# Altium PCB PCB.PcbDoc
Units mil, origin at the board's own origin, x right, y up, seen from the top; angles counter-clockwise.
Board outline 2865 x 2315 mil, 2 copper layers (Top Layer, Bottom Layer); 7 components, 19 nets, 70 pads, 15 vias.
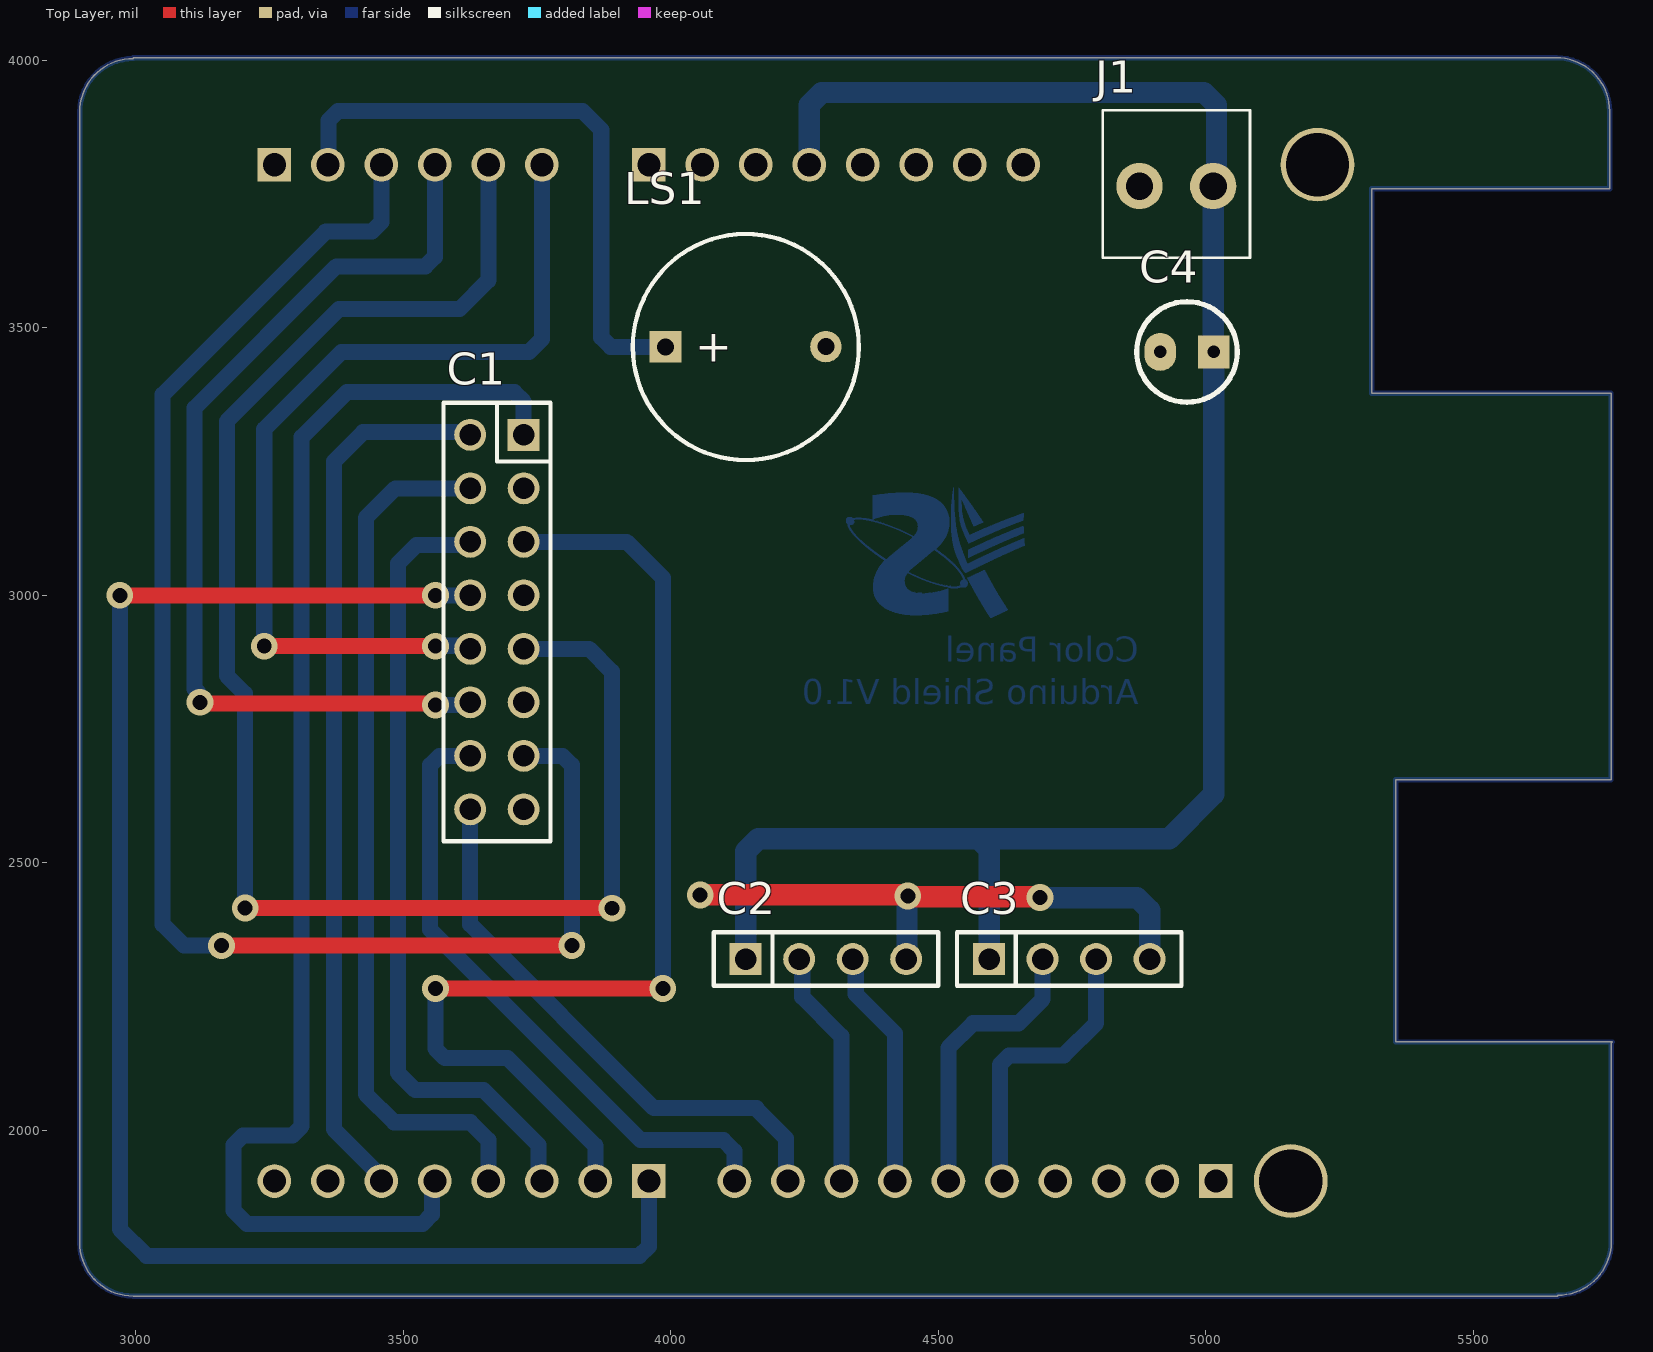
[diagram p0: Top Layer view]
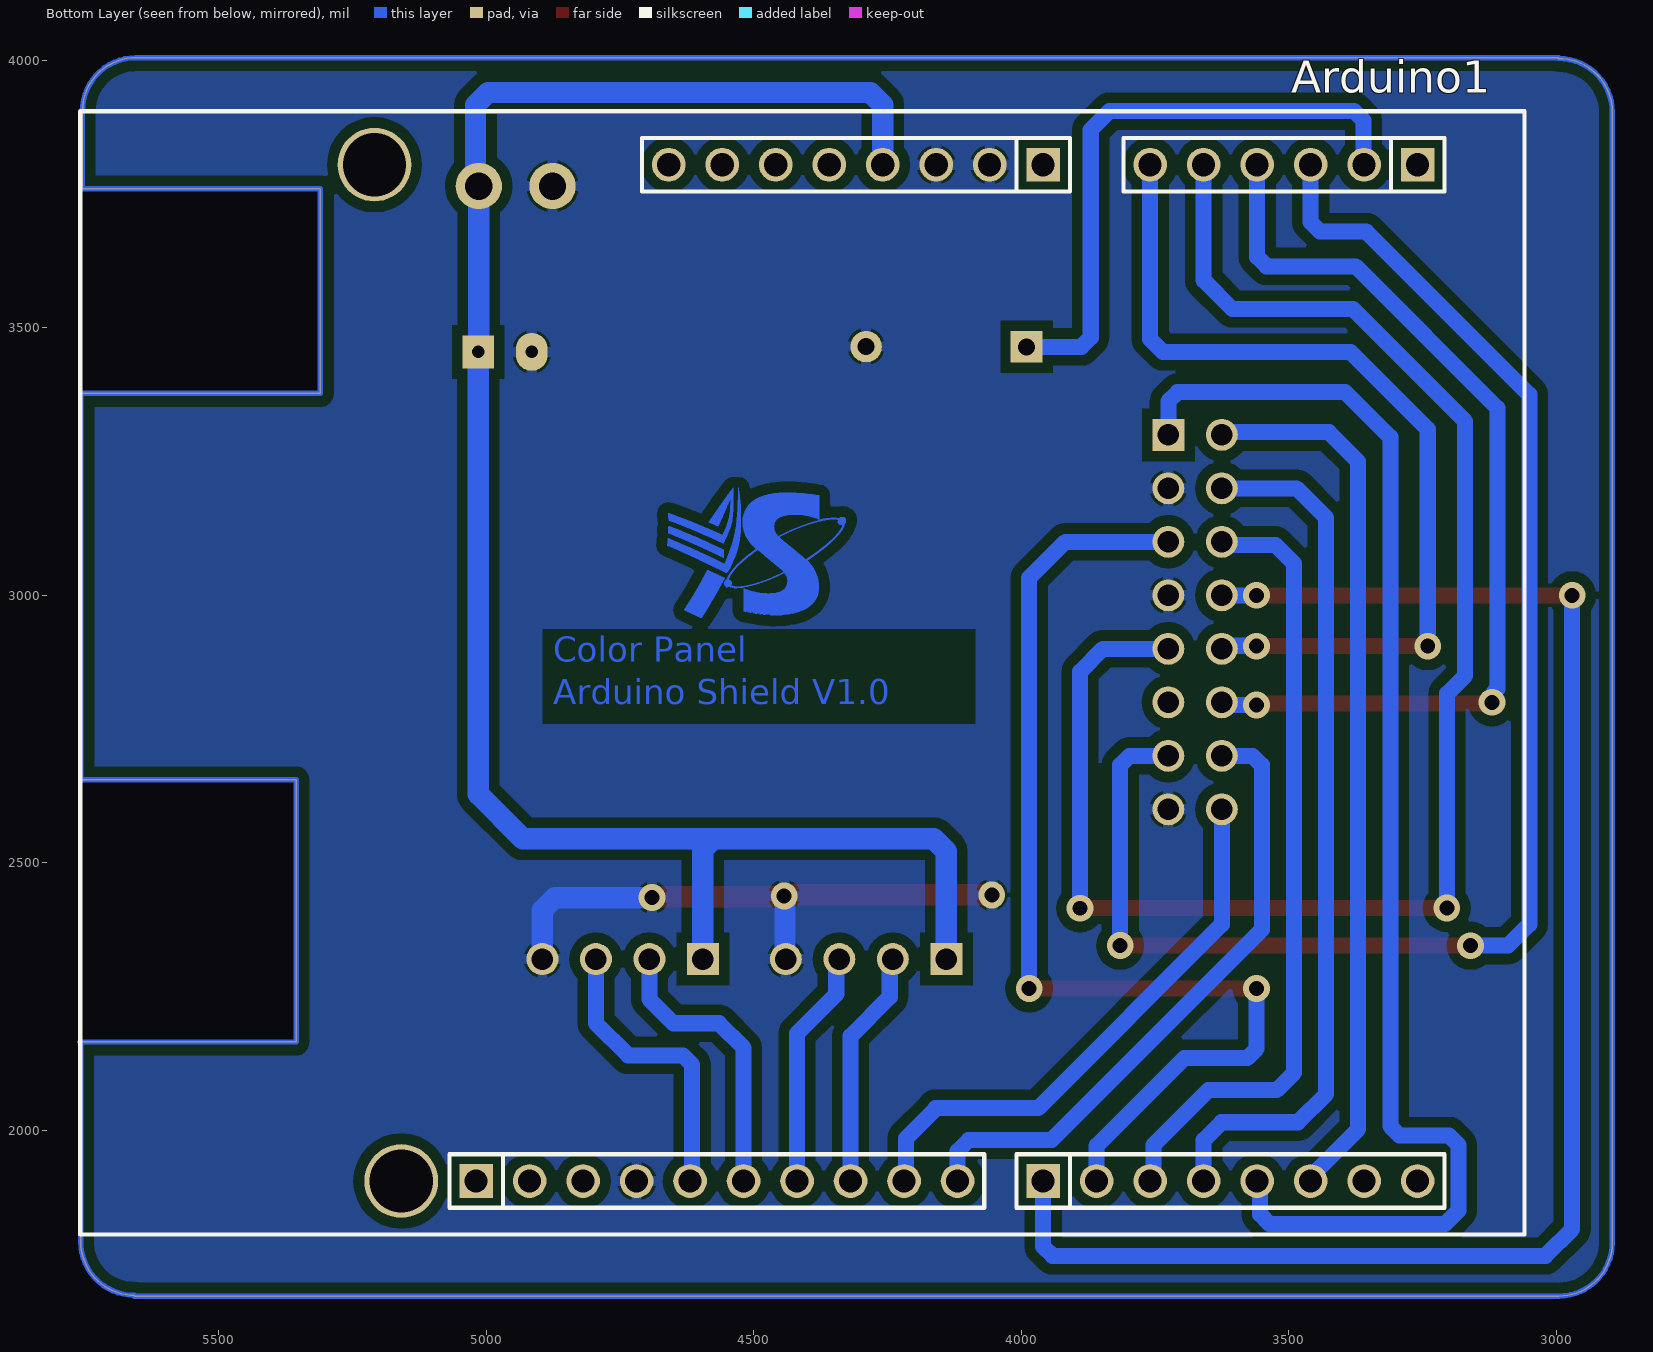
[diagram p1: Bottom Layer view, seen from below]

## Layer stack, top to bottom
Top Solder: solder mask 0.4, Solder Resist, Dk 3.5
Top Layer: signal copper 1.4
Dielectric 1: dielectric 12.6, FR-4, Dk 4.8
Bottom Layer: signal copper 1.4
Bottom Solder: solder mask 0.4, Solder Resist, Dk 3.5

## Board outline
2895,1790 ccw(c2995,1790) 2995,1690 5658.08,1690 5658.08,1691.63 ccw(c5658.08,1791.63) 5758.08,1791.63 5758.08,2163.08 5760,2165 5355,2165 5355,2655 5757.57,2655 5757.57,3377.43 5310,3377.43 5310,3760 5755,3760 5755,3905 ccw(c5655,3905) 5655,4005 2995.03,4005 2995.03,4003.44 ccw(c2995.03,3903.44) 2895.03,3903.44

## Design rules (kind name [scope] priority, off if disabled: settings)
Clearance [All] p1: gap=20 ignorepadtopadclearanceinfootprint=FALSE except(30: Arc-Arc Arc-Track Arc-SMDPad Arc-THPad Arc-Via Arc-Text Arc-Hole Track-Track Track-SMDPad Track-THPad Track-Via Track-Text Track-Hole SMDPad-SMDPad SMDPad-THPad SMDPad-Via SMDPad-Text SMDPad-Hole THPad-THPad THPad-Via THPad-Text THPad-Hole Via-Via Via-Text Via-Hole Text-Text Text-Hole)
PolygonConnect [All] p1: connectstyle=Relief reliefconductorwidth=10 reliefentries=4 polygonreliefangle="90 Angle" airgapwidth=10
RoutingVias [All] p1: holewidth=28 width=50 viastyle="Through Hole" minholewidth=28 minwidth=50 maxholewidth=28 maxwidth=50
SolderMaskExpansion [All] p1: expansion=4 istentingtop=FALSE
Width [All] p1: maxlimit=40 minlimit=20 preferedwidth=30
30 further rules are at their usual default settings.

## Components (designator, comment, footprint, x,y, rotation, side; value= is the part's Value field where it differs from the comment)
Arduino1 "Arduino Uno R3" "Arduino UNO R3" 4433.94,2895 r0 bottom locked value="Cau 1A"
C1 "JP8x2" JP8-C2T 3675,2950 r270 top
C2 "JP4" JP4-C1T 4140,2320 r0 top
C3 "JP4" JP4-C1T 4595,2320 r0 top
C4 "CN-ALU-DIP" CA-ALU-2.54 4965,3455 r180 top value=104
J1 "KF2" KF2-3.5 4945,3765 r180 top
LS1 "Speaker" SPEAKER 3990,3464.5 r0 top

## Footprints (in the part's own frame and the unit in brackets; to place one, negate y for a bottom-side part, rotate by r counter-clockwise, add the part's x,y. Pads: shape width x height; smd on the part's side, far side on the other; paste and mask are expansions set on the pad)
"Arduino UNO R3" [mm]
  round 1.6 hole 1.1: 0-RX(-29.845,25.146) 1-TX(-27.305,25.146) 2(-24.765,25.146) 3V3(-1.905,-23.114) 4(-19.685,25.146) 5V(-4.445,-23.114) 8(-8.001,25.146) 12(2.159,25.146) 13(4.699,25.146) A0(-17.145,-23.114) A1(-19.685,-23.114) A2(-22.225,-23.114) A3(-24.765,-23.114) A4(-27.305,-23.114) AREF(9.779,25.146) GND(-9.525,-23.114) GND(-6.985,-23.114) GND(7.239,25.146) IOREF(3.175,-23.114) NC(5.715,-23.114) RESET(0.635,-23.114) SDA(12.319,25.146) ~3(-22.225,25.146) ~5(-17.145,25.146) ~6(-14.605,25.146) ~9(-5.461,25.146) ~10(-2.921,25.146) ~11(-0.381,25.146)
  rect 1.6x1.6 hole 1.1: 7(-12.065,25.146) A5(-29.845,-23.114) SCL(14.859,25.146) Vin(-12.065,-23.114)
  oval 0x2 all layers, no hole: ""(-32.385,-18.034)
  round 3.5 on Mech1: ""(-32.385,-18.034) ""(-32.385,9.906)
  round 0 all layers, no hole: ""(-32.385,9.906) ""(18.415,25.146) ""(19.685,-23.114)
  round 3.5 hole 3: ""(18.415,25.146) ""(19.685,-23.114)
  silkscreen extent -34.92,-25.65 33.66,27.69, body extent -34.93,-25.65 40,27.69, height 15.28
CA-ALU-2.54 [mm]
  rect 1.5x1.58 hole 0.6: 1(-1.27,0)
  oval 1.5x1.8 hole 0.6: 2(1.27,0)
  silkscreen extent -2.39,-2.39 2.39,2.39, body extent -2,-2.03 1.99,1.97, height 7.01
JP4-C1T [mm] "4 row, straight, gold plating"
  rect 1.52x1.52 hole 1.02: 1(0,0)
  round 1.52 hole 1.02: 2(2.54,0) 3(5.08,0) 4(7.62,0)
  silkscreen extent -1.52,-1.27 9.14,1.27, body extent -1.52,-1.25 9.14,1.25, height 8.51
JP8-C2T [mm] "16 pins, dual row, straight, gold plating"
  rect 1.52x1.52 hole 1.02: 1(-8.89,1.27)
  round 1.52 hole 1.02: 2(-6.35,1.27) 3(-3.81,1.27) 4(-1.27,1.27) 5(1.27,1.27) 6(3.81,1.27) 7(6.35,1.27) 8(8.89,1.27) 9(8.89,-1.27) 10(6.35,-1.27) 11(3.81,-1.27) 12(1.27,-1.27) 13(-1.27,-1.27) 14(-3.81,-1.27) 15(-6.35,-1.27) 16(-8.89,-1.27)
  silkscreen extent -10.41,-2.54 10.41,2.54, body extent -10.41,-2.54 10.41,2.54, height 8.51
KF2-3.5 [mm] "3,50mm - modular - blue - Horizontal wire entry - Pressure clamp - 8,4mm height - 02p"
  round 2.2 hole 1.3: 1(-1.75,0) 2(1.75,0)
  silkscreen extent -3.5,-3.6 3.5,3.4, body extent -3.95,-3.6 4.05,3.4, height 8.41
SPEAKER [mm]
  rect 1.5x1.5 hole 0.8: 1(0,0)
  round 1.5 hole 0.8: 2(7.62,0.013)
  silkscreen extent -1.55,-5.38 9.18,5.36, body extent -2.22,-6 13.24,6, height 4.5

## Part data
Arduino1: "Arduino UNO R3"
C1: "WR-PHD 2.54 mm Dual Socket Header", Manufacturer="W¨¹rth Elektronik eiSos GmbH", partNo=61301621821, ComponentLink1 Description=Manufacturer, ComponentLink1URL=http://www.we-online.com, ComponentLink2 Description=Datasheet, ComponentLink2URL=http://katalog.we-online.de/em/datasheet/6130xx21821.pdf, Created by="Karrer Zheng", Created Date="29 March 2013", NoPins=16
C2 C3: "WR-PHD 2.54 mm Angled Socket Header", Manufacturer="W¨¹rth Elektronik eiSos GmbH", partNo=613004143121, ComponentLink1 Description=Manufacturer, ComponentLink1URL=http://www.we-online.com, ComponentLink2 Description=Datasheet, ComponentLink2URL=http://katalog.we-online.de/em/datasheet/6130xx143121.pdf, Created by="Karrer Zheng", Created Date="29 March 2013", NoPins=04
C4: "Capacitor (Semiconductor SIM Model)", LatestRevisionDate=17-Jul-2002, LatestRevisionNote="Re-released for DXP Platform.", PackageReference=C1206, Publisher="Altium Limited"
J1: Manufacturer="Würth Elektronik eiSos GmbH", partNo=691103110002, ComponentLink1 Description=Manufacturer, ComponentLink1URL=http://www.we-online.com, ComponentLink2 Description=Datasheet, ComponentLink2URL=http://katalog.we-online.de/em/datasheet/6911031100xx.pdf, Created by="Karrer Zheng", Created Date="29 October 2013", NoPins=2
LS1: "Loudspeaker", LatestRevisionDate=17-Jul-2002, LatestRevisionNote="Re-released for DXP Platform.", PackageReference=PIN2, Published=24-Mar-1999, Publisher="Altium Limited"

## Via types
v1: diameter 50, hole 28, Top Layer to Bottom Layer, 15 vias

## Nets (pads, with @x,y where several pads share a name; then routed paths per layer and width w, separated by ;. In a path a pad name is that pad's centre, name@x,y a point inside that pad or via, vN(x,y) a via of type N, cw(c..) or ccw(c..) an arc to the next point about the centre after c; other vN are vias at no path point)
A: Arduino1.A0 C1.12 | length 1707.9
  Top Layer w30: v1(3240,2905) v1(3560,2905)
  Bottom Layer w30: v1(3240,2905) 3240,3310.44 3384.56,3455 3735,3455 3758.94,3478.94 Arduino1.A0 ; v1(3560,2905) 3560.71,2905.71 3619.29,2905.71 C1.12
B: Arduino1.A1 C1.5 | length 3049.1
  Top Layer w30: v1(3204.47,2415.53) 3204.74,2415.26 3889.74,2415.26 v1(3890,2415)
  Bottom Layer w30: v1(3204.47,2415.53) 3203.94,2416.06 3203.94,2816.06 3170,2850 3170,3325.29 3379.71,3535 3605,3535 3658.94,3588.94 Arduino1.A1 ; C1.5 3847.43,2900 3890,2857.43 v1(3890,2415)
B1: Arduino1.4 C1.15 | length 1636.1
  Bottom Layer w30: C1.15 3485,3200 3430,3145 3430,2067.72 3482.72,2015 3625.29,2015 3658.8,1981.5 3658.8,1905.14 Arduino1.4
B2: Arduino1.7 C1.13 | length 2979.4
  Top Layer w30: v1(2970,3000) v1(3560,3000)
  Bottom Layer w30: v1(2970,3000) 2970,1815 3020,1765 3941.37,1765 3958.94,1782.57 Arduino1.7 ; v1(3560,3000) C1.13
C: Arduino1.A2 C1.11 | length 1801.8
  Top Layer w30: v1(3120,2800) 3122.5,2797.5 3557.5,2797.5 v1(3560,2795)
  Bottom Layer w30: v1(3120,2800) 3116.17,2803.83 3116.17,2818.97 3110,2825.15 3110,3350.15 3374.85,3615 3541.37,3615 3558.94,3632.57 Arduino1.A2 ; v1(3560,2795) 3620,2795 C1.11
CLK: Arduino1.8 C1.10 | length 1186.1
  Bottom Layer w30: C1.10 3567.65,2700 3550.08,2682.43 3550.08,2374.92 3943.5,1981.5 4098.5,1981.5 4118.94,1961.06 Arduino1.8
ECH_END: Arduino1.13 C3.3 | length 551.2
  Bottom Layer w30: Arduino1.13 4615,1908.94 4615,2122.43 4632.57,2140 4735,2140 4795,2200 C3.3
ECH_STR: Arduino1.~11 C2.3 | length 447.7
  Bottom Layer w30: C2.3 4345.71,2314.29 4345.71,2254.29 4418.94,2181.06 Arduino1.~11
G1: Arduino1.~3 C1.1 | length 2525.5
  Bottom Layer w30: Arduino1.~3 3553.5,1899.56 3553.5,1842.57 3535.93,1825 3207.57,1825 3182.44,1850.13 3182.44,1972.43 3200.02,1990 3292.43,1990 3310,2007.57 3310,3295.59 3394.41,3380 3707.43,3380 3725,3362.43 C1.1
G2: Arduino1.~6 C1.3 | length 2033
  Top Layer w30: v1(3560,2265) v1(3985,2265)
  Bottom Layer w30: v1(3560,2265) 3560,2152.57 3577.57,2135 3695,2135 3858.94,1971.06 Arduino1.~6 ; C1.3 3917.43,3100 3985,3032.43 v1(3985,2265)
GND: Arduino1.GND C1.2 C1.4 C1.8 C2.4 C3.4 C4.2 J1.2 LS1.2 | length 1062.7
  Top Layer w40: v1(4055,2440) 4441.17,2440 v1(4443.09,2438.09) 4444.63,2436.54 4688.46,2436.54 v1(4690,2435)
  Bottom Layer w40: C2.4 4441.54,2321.54 4441.54,2436.54 v1(4443.09,2438.09) ; v1(4690,2435) 4871.57,2435 4895,2411.57 C3.4
LAT: Arduino1.A3 C1.7 | length 2856.1
  Top Layer w30: v1(3160,2345) 3160.13,2345.13 3814.87,2345.13 v1(3815,2345.26)
  Bottom Layer w30: v1(3160,2345) 3090,2345 3050,2385 3050,3375 3355,3680 3441.37,3680 3458.94,3697.57 Arduino1.A3 ; C1.7 3797.43,2700 3815,2682.43 v1(3815,2345.26)
OE: Arduino1.~9 C1.9 | length 1053.2
  Bottom Layer w30: C1.9 3625,2385 3968.5,2041.5 4160,2041.5 4160,2040 4215,1985 4215,1908.94 Arduino1.~9
R1: Arduino1.2 C1.16 | length 1661.7
  Bottom Layer w30: Arduino1.2 3458.94,1913.18 3370,2002.12 3370,3250 3425,3305 3620,3305 C1.16
R2: Arduino1.~5 C1.14 | length 1492.3
  Bottom Layer w30: C1.14 3619.29,3094.29 3525,3094.29 3490,3059.29 3490,2107.57 3522.57,2075 3650.15,2075 3752.63,1972.52 3752.63,1911.31 Arduino1.~5
SPK: Arduino1.A4 LS1.1 | length 1129.8
  Bottom Layer w30: Arduino1.A4 3360,3806.06 3360,3887.43 3377.57,3905 3835,3905 3870,3870 3870,3482.07 3887.57,3464.5 LS1.1
TRG_END: Arduino1.12 C3.2 | length 537.7
  Bottom Layer w30: Arduino1.12 4518.94,2153.94 4565,2200 4650,2200 4695,2245 C3.2
TRG_STR: Arduino1.~10 C2.2 | length 447.7
  Bottom Layer w30: C2.2 4245.71,2314.29 4245.71,2249.29 4318.94,2176.06 Arduino1.~10
VCC: Arduino1.5V C2.1 C3.1 C4.1 J1.1 | length 3532.9
  Bottom Layer w40: C2.1 4140,2521.57 4163.43,2545 4575,2545 ; Arduino1.5V 4258.94,3916.57 4282.37,3940 4996.57,3940 5020,3916.57 5020,3771.1 J1.1 C4.1@5013.9,3458.9 ; C3.1 4595,2525 4575,2545 ; C4.1 5015,2628.43 4931.57,2545 4595,2545 4575,2545
pads on no net: Arduino1. Arduino1.0-RX Arduino1.1-TX Arduino1.3V3 Arduino1.A5 Arduino1.AREF Arduino1.IOREF Arduino1.NC Arduino1.RESET Arduino1.SCL Arduino1.SDA Arduino1.Vin C1.6
copper on no net: | length 11876.4
  Bottom Layer w10: 2995.03,4003.44 ccw(c2995.03,3903.44) 2895.03,3903.44 2895,1790 ccw(c2995,1790) 2995,1690 5658.08,1690 ; 2995.03,4005 5655,4005 cw(c5655,3905) 5755,3905 5755,3760 5310,3760 5310,3377.43 5757.57,3377.43 5757.57,2655 5355,2655 5355,2165 5760,2165 ; 5658.08,1691.63 ccw(c5658.08,1791.63) 5758.08,1791.63 5758.08,2163.08

## Polygon pours and split planes (outlines as drawn)
GND on Bottom Layer "Bot - GND" (solid, pour order 1): 2895,1790 ccw(c2995,1790) 2995,1690 5658.08,1690 5658.08,1691.63 ccw(c5658.08,1791.63) 5758.08,1791.63 5758.08,2163.08 5760,2165 5355,2165 5355,2655 5757.57,2655 5757.57,3377.43 5310,3377.43 5310,3760 5755,3760 5755,3905 ccw(c5655,3905) 5655,4005 2995.03,4005 2995.03,4003.44 ccw(c2995.03,3903.44) 2895.03,3903.44

## Other copper
Bottom Layer:
  region: 568 vertices and 0 holes, not listed, extent 4556.42,3070.55 4659.96,3129.34
  region: 2009 vertices and 4 holes, not listed, extent 4327.52,2962.57 4554.94,3191.84
  region: 801 vertices and 0 holes, not listed, extent 4554.57,2957.76 4630.01,3047.25
  region: 1543 vertices and 0 holes, not listed, extent 4523.88,3042.07 4661.44,3200.71
  region: 1599 vertices and 0 holes, not listed, extent 4537.93,3097.17 4659.96,3201.08
  text "Color Panel  / Arduino Shield V1.0" at 4874.48,2780 h80

## Text inside footprints (layer, text, board x,y; h text height)
LS1: Top Overlay "+" at 4045.5,3436.5 h60